# Altium PCB Board.PcbDoc (part 6 of 8)
Units mil, origin at the board's own origin, x right, y up, seen from the top; angles counter-clockwise.
Board outline 2740.16 x 1181.1 mil, 6 copper layers (Top Layer, Int1 (GND), Int2 (Sign), Int3 (Sign), Int4 (PWR), Bottom Layer), stack 60.567 mil thick; 167 components, 261 nets, 1353 pads, 681 vias.
Unrouted connection lines stored in the file: 23.
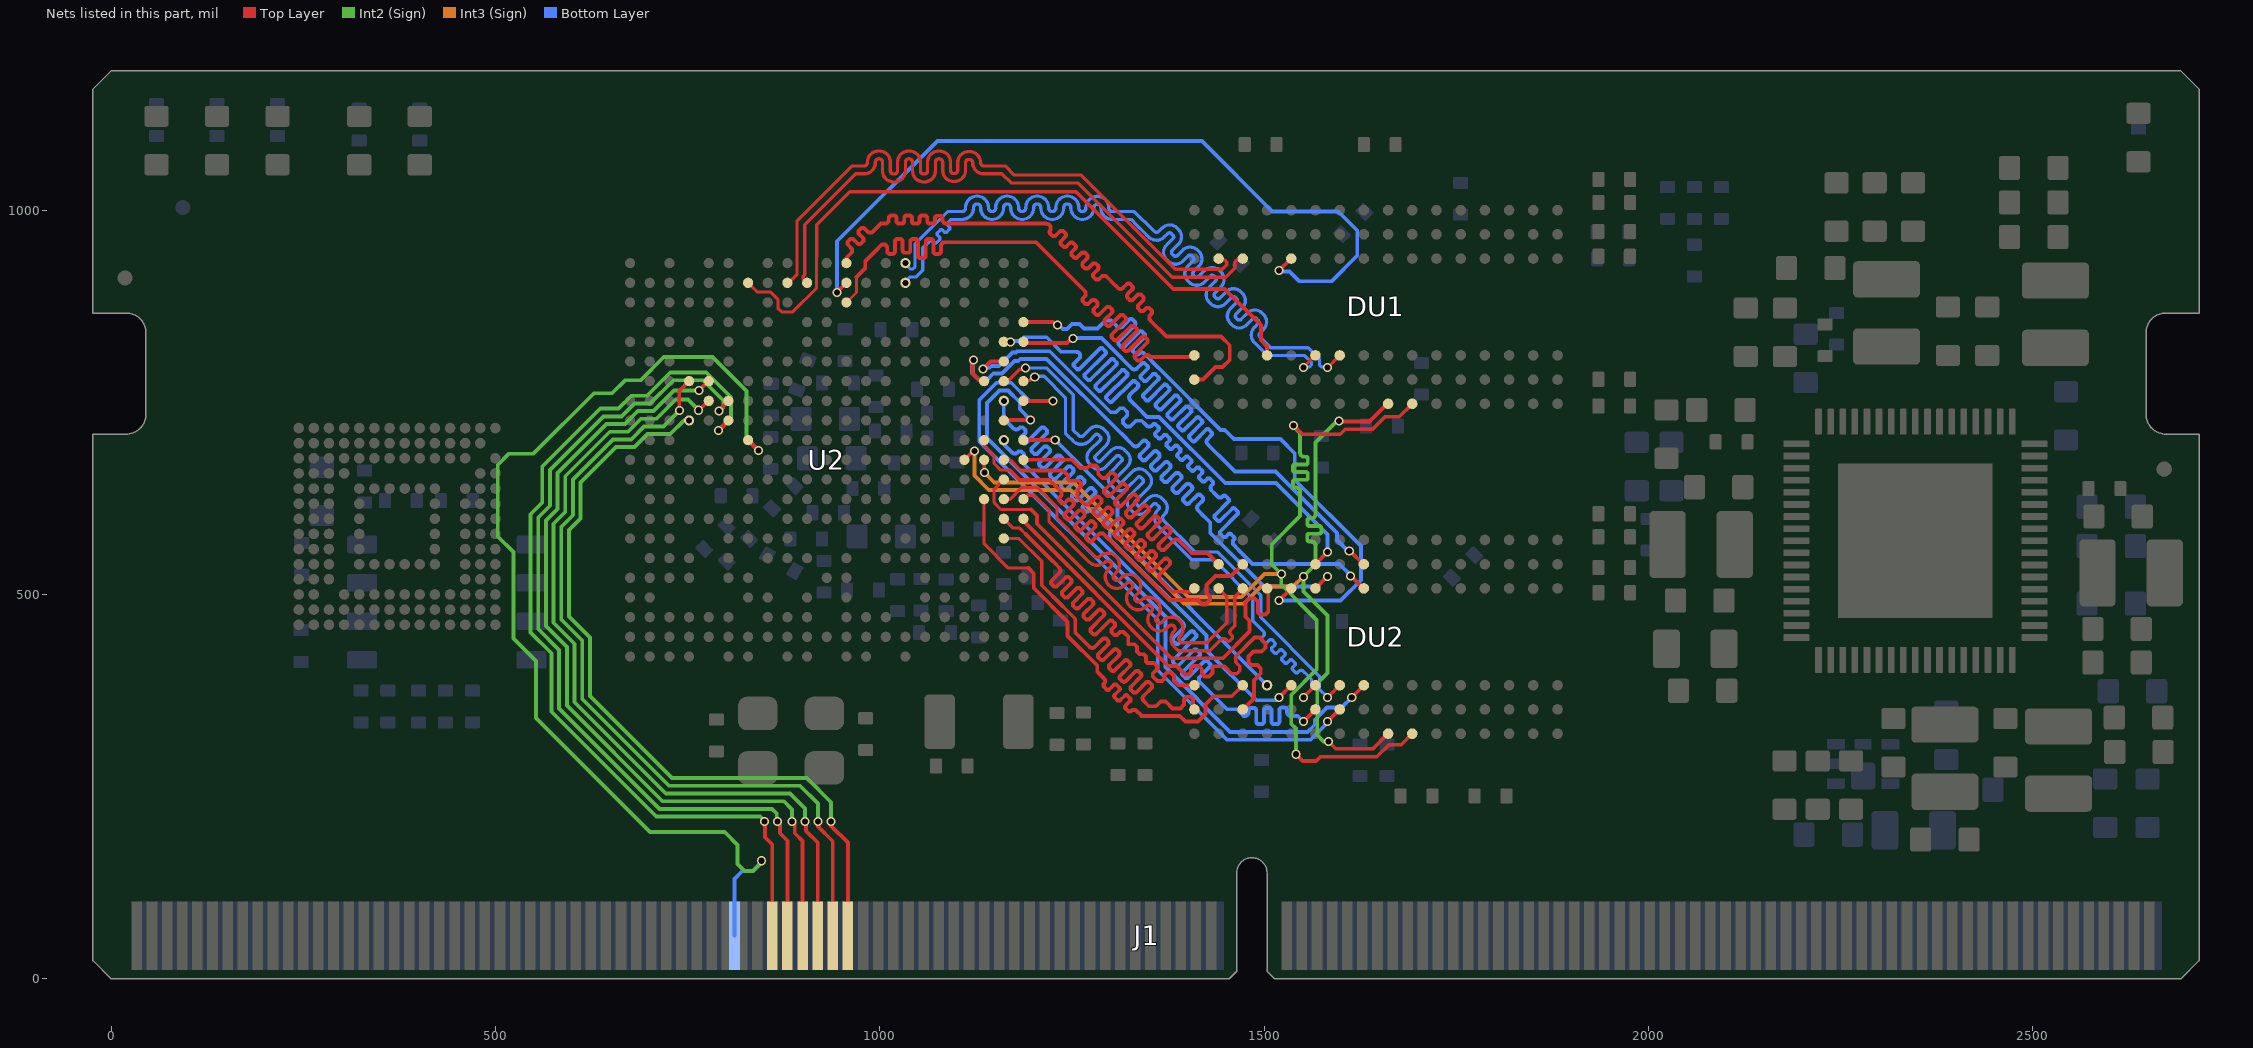
[diagram p10: the nets of this part, all layers, seen from the top]

## Via types
v1: diameter 11.81, hole 7.87, Top Layer to Bottom Layer, tented both sides, 510 vias
v2: diameter 17.72, hole 7.87, Top Layer to Bottom Layer, tented both sides, 112 vias
v3: diameter 15.75, hole 7.87, Top Layer to Bottom Layer, tented both sides, 43 vias
v4: diameter 31.5, hole 11.81, Top Layer to Bottom Layer, 16 vias

## Nets (pads, with @x,y where several pads share a name; then routed paths per layer and width w, separated by ;. In a path a pad name is that pad's centre, name@x,y a point inside that pad or via, vN(x,y) a via of type N, cw(c..) or ccw(c..) an arc to the next point about the centre after c; other vN are vias at no path point) (continued)
SDQ14: DU1.A2 U2.M21 | length 926.3
  Top Layer w4.99: U2.M21@956.69,931.1 956.69,937.72 961.1,942.13 962.87,943.89 ccw(c959.34,947.42) 962.87,950.95 959.03,954.79 cw(c961.5,957.26) 959.03,959.73 961.15,961.85 cw(c963.62,959.38) 966.09,961.85 970.99,956.96 ccw(c973.46,959.43) 975.93,956.96 978.05,959.08 ccw(c975.58,961.55) 978.05,964.02 973.16,968.92 cw(c975.63,971.39) 973.16,973.86 975.28,975.98 cw(c977.75,973.51) 980.22,975.98 984.06,972.14 ccw(c987.59,975.67) 991.12,972.14 1001.44,982.47 1004.38,982.47 1006.87,982.47 ccw(c1006.87,987.46) 1011.86,987.46 1011.86,989.7 cw(c1015.36,989.7) 1015.36,993.2 1018.35,993.2 cw(c1018.35,989.7) 1021.85,989.7 1021.85,985.97 ccw(c1025.35,985.97) 1025.35,982.47 1028.34,982.47 ccw(c1028.34,985.97) 1031.84,985.97 1031.84,989.7 cw(c1035.34,989.7) 1035.34,993.2 1038.33,993.2 cw(c1038.33,989.7) 1041.83,989.7 1041.83,985.97 ccw(c1045.33,985.97) 1045.33,982.47 1048.32,982.47 ccw(c1048.32,985.97) 1051.82,985.97 1051.82,989.7 cw(c1055.32,989.7) 1055.32,993.2 1058.31,993.2 cw(c1058.31,989.7) 1061.81,989.7 1061.81,985.97 ccw(c1065.31,985.97) 1065.31,982.47 1068.3,982.47 ccw(c1068.3,985.97) 1071.8,985.97 1071.8,989.29 cw(c1075.3,989.29) 1075.3,992.79 1078.29,992.79 cw(c1078.29,989.29) 1081.79,989.29 1081.79,987.46 ccw(c1086.78,987.46) 1086.78,982.47 1095.34,982.47 1210.21,982.47 1216.55,982.47 cw(c1216.55,976.5) 1222.07,974.22 ; 1222.06,974.19 ccw(c1224.53,971.72) 1222.06,969.25 1224.17,967.13 ccw(c1226.65,969.6) 1229.12,967.13 1234.21,972.22 cw(c1236.68,969.74) 1239.15,972.22 1241.27,970.1 cw(c1238.8,967.62) 1241.27,965.15 1236.18,960.06 ccw(c1238.66,957.59) 1236.18,955.12 1238.3,953 ccw(c1240.77,955.47) 1243.25,953 1247.13,956.88 cw(c1249.6,954.4) 1252.07,956.88 1254.19,954.76 cw(c1251.72,952.28) 1254.19,949.81 1250.31,945.93 ccw(c1252.78,943.46) 1250.31,940.99 1252.43,938.87 ccw(c1254.9,941.34) 1257.38,938.87 1262.61,944.11 cw(c1265.08,941.63) 1267.56,944.11 1269.68,941.99 cw(c1267.2,939.51) 1269.68,937.04 1264.44,931.81 ccw(c1266.91,929.33) 1264.44,926.86 1266.56,924.74 ccw(c1269.03,927.21) 1271.5,924.74 1276.74,929.98 cw(c1279.21,927.51) 1281.68,929.98 1283.8,927.86 cw(c1281.33,925.39) 1283.8,922.91 1278.57,917.68 ccw(c1281.04,915.21) 1278.57,912.73 1280.69,910.61 ccw(c1283.16,913.09) 1285.63,910.61 1288.31,913.29 cw(c1291.84,909.77) 1295.37,913.29 1305.66,903.01 1307.42,901.24 1307.91,900.75 1309.68,898.98 ccw(c1313.21,902.51) 1316.74,898.98 1321.39,903.63 cw(c1323.86,901.16) 1326.33,903.63 1328.45,901.51 cw(c1325.98,899.04) 1328.45,896.57 1322.61,890.73 ccw(c1325.09,888.26) 1322.61,885.79 1324.73,883.67 ccw(c1327.2,886.14) 1329.68,883.67 1335.52,889.51 cw(c1337.99,887.03) 1340.46,889.51 1342.58,887.39 cw(c1340.11,884.91) 1342.58,882.44 1336.74,876.6 ccw(c1339.21,874.13) 1336.74,871.66 ; 1336.74,871.66 1338.86,869.54 ccw(c1341.33,872.01) 1343.8,869.54 1346.36,872.09 cw(c1348.83,869.62) 1351.3,872.09 1353.42,869.98 cw(c1350.95,867.5) 1353.42,865.03 1352.06,863.66 ccw(c1355.58,860.13) 1352.06,856.61 1373.25,835.41 1376.87,835.41 1444.12,835.41 1455.33,824.2 1455.33,805.07 1446.16,795.89 1436.97,795.89 1420.6,779.53 DU1.A2@1409.45,779.53
SDQ15: DU1.A3 U2.M19 | length 920.3
  Top Layer w4: U2.M19@956.69,879.92 969.73,892.96 969.73,913
  Top Layer w4.99: 969.73,913 981.27,924.54 981.27,934.03 995.61,948.36 1001.32,954.08 cw(c1004.85,950.55) 1009.84,950.55 1009.84,946.62 ccw(c1013.34,946.62) 1013.34,943.12 1016.33,943.12 ccw(c1016.33,946.62) 1019.83,946.62 1019.83,958.98 cw(c1023.33,958.98) 1023.33,962.48 1026.32,962.48 cw(c1026.32,958.98) 1029.82,958.98 1029.82,948 ccw(c1033.32,948) 1033.32,944.5 1036.31,944.5 ccw(c1036.31,948) 1039.81,948 1039.81,958.98 cw(c1043.31,958.98) 1043.31,962.48 1046.3,962.48 cw(c1046.3,958.98) 1049.8,958.98 1049.8,941.03 ccw(c1053.3,941.03) 1053.3,937.54 1056.29,937.54 ccw(c1056.29,941.03) 1059.79,941.03 1059.79,958.98 cw(c1063.29,958.98) 1063.29,962.48 1066.28,962.48 cw(c1066.28,958.98) 1069.78,958.98 1069.78,946.62 ccw(c1073.28,946.62) 1073.28,943.12 1076.27,943.12 ccw(c1076.27,946.62) 1079.77,946.62 1079.77,953.29 cw(c1084.76,953.29) 1084.76,958.28 1099.91,958.28 1203.14,958.28 1257.87,903.55 1266.7,894.72 cw(c1263.17,891.19) 1266.7,887.66 1264.82,885.78 ccw(c1267.29,883.31) 1264.82,880.84 1266.94,878.72 ccw(c1269.41,881.19) 1271.89,878.72 1275.63,882.46 cw(c1278.1,879.99) 1280.57,882.46 1282.69,880.34 cw(c1280.22,877.87) 1282.69,875.4 1278.95,871.65 ccw(c1281.42,869.18) 1278.95,866.71 1281.07,864.59 ccw(c1283.54,867.06) 1286.01,864.59 1294.78,873.36 cw(c1297.25,870.89) 1299.73,873.36 1301.85,871.24 cw(c1299.37,868.77) 1301.85,866.3 1293.08,857.53 ccw(c1295.55,855.05) 1293.08,852.58 1295.2,850.46 ccw(c1297.67,852.93) 1300.14,850.46 1312.43,862.75 cw(c1314.9,860.28) 1317.38,862.75 1319.5,860.63 cw(c1317.02,858.16) 1319.5,855.69 1302.47,838.66 ccw(c1304.94,836.19) 1302.47,833.72 1304.59,831.6 ccw(c1307.06,834.07) 1309.53,831.6 1326.56,848.63 cw(c1329.03,846.15) 1331.5,848.63 1333.62,846.51 cw(c1331.15,844.03) 1333.62,841.56 1316.59,824.53 ccw(c1319.07,822.06) 1316.59,819.59 1318.71,817.47 ccw(c1321.19,819.94) 1323.66,817.47 1340.69,834.5 cw(c1343.16,832.02) 1345.63,834.5 1347.75,832.38 cw(c1345.28,829.91) 1347.75,827.43 1332.59,812.27 ccw(c1335.06,809.8) 1332.59,807.33 1334.71,805.21 ccw(c1337.18,807.68) 1339.65,805.21 1344.4,809.96 cw(c1347.93,806.43) 1351.46,809.96 1352.51,808.9 1374.05,808.9 1407.33,808.9 DU1.A3@1409.45,811.02
SDQ16: DU2.F8 U2.Y17 | length 888
  Top Layer w5: U2.Y17@1161.42,828.74 1161.66,828.5 1170,828.5 v1(1170.24,828.26) ; DU2.F8@1566.93,539.37 v1(1582.68,555.12)
  Bottom Layer w5: v1(1170.24,828.26) 1171.54,829.57 1182.4,829.57 1187.48,834.65 1217.26,834.65 1236.22,815.68 1248.5,815.68 1255.89,815.68 cw(c1255.89,810.68) 1259.4,807.12 1252.8,800.62 ccw(c1254.56,798.84) 1252.77,797.09 1256.28,793.53 ccw(c1258.06,795.28) 1259.82,793.5 1286.61,819.88 cw(c1288.36,818.1) 1290.14,819.86 1293.65,816.29 cw(c1291.87,814.54) 1293.63,812.76 1266.94,786.48 ccw(c1268.7,784.7) 1266.92,782.95 1270.43,779.38 ccw(c1272.21,781.14) 1273.96,779.36 1300.75,805.74 cw(c1302.51,803.96) 1304.29,805.71 1307.79,802.15 cw(c1306.01,800.4) 1307.77,798.62 1281.09,772.34 ccw(c1282.84,770.56) 1281.06,768.8 1284.57,765.24 ccw(c1286.35,767) 1288.1,765.21 1314.89,791.6 cw(c1316.65,789.82) 1318.43,791.57 1321.94,788.01 cw(c1320.16,786.25) 1321.91,784.47 1295.23,758.2 ccw(c1296.98,756.42) 1295.2,754.66 1298.71,751.1 ccw(c1300.49,752.85) 1302.25,751.07 1328.81,777.23 cw(c1330.56,775.45) 1332.34,777.2 1335.85,773.64 cw(c1334.07,771.89) 1335.82,770.11 1325.82,760.25 ccw(c1329.33,756.69) 1325.79,753.16 1340.9,738.05 1342.66,736.29 1347.9,731.05 1363.44,731.05 1449.49,645 1515.72,645 1582.68,578.04 v1(1582.68,555.12)
SDQ17: DU2.H8 U2.AA17 | length 892.5
  Top Layer w5: U2.AA17@1187.01,828.74 1188.6,827.15 1243.82,827.15 1249.55,832.88 v1(1251.4,832.88) ; v1(1610.9,556.61) 1611.79,556.61 1629.03,539.37 DU2.H8@1629.92,539.37
  Bottom Layer w5: v1(1251.4,832.88) 1251.99,833.48 1288.57,833.48 1303.42,818.63 1326.02,796.02 1327.79,794.26 ccw(c1331.33,797.79) 1334.86,794.26 1341.27,800.66 cw(c1343.03,798.89) 1344.8,800.66 1348.34,797.12 cw(c1346.57,795.35) 1348.34,793.59 1339.93,785.18 ccw(c1341.69,783.41) 1339.93,781.64 1343.46,778.11 ccw(c1345.23,779.87) 1347,778.11 1355.41,786.52 cw(c1357.18,784.75) 1358.94,786.52 1362.48,782.98 cw(c1360.71,781.21) 1362.48,779.44 1343.12,760.08 ccw(c1344.88,758.31) 1343.12,756.55 1346.65,753.01 ccw(c1348.42,754.78) 1350.19,753.01 1369.55,772.37 cw(c1371.32,770.61) 1373.09,772.37 1376.62,768.84 cw(c1374.85,767.07) 1376.62,765.3 1359.58,748.27 ccw(c1361.35,746.5) 1359.58,744.73 1363.12,741.2 ccw(c1364.89,742.96) 1366.66,741.2 1383.69,758.23 cw(c1385.46,756.46) 1387.23,758.23 1390.76,754.7 cw(c1389,752.93) 1390.76,751.16 1374.82,735.22 ccw(c1376.59,733.45) 1374.82,731.69 1378.36,728.15 ccw(c1380.13,729.92) 1381.89,728.15 1397.83,744.09 cw(c1399.6,742.32) 1401.37,744.09 1404.91,740.55 cw(c1403.14,738.79) 1404.91,737.02 1388.97,721.08 ccw(c1390.73,719.31) 1388.97,717.54 1392.5,714.01 ccw(c1394.27,715.78) 1396.04,714.01 1411.98,729.95 cw(c1413.74,728.18) 1415.51,729.95 1419.05,726.41 cw(c1417.28,724.64) 1419.05,722.88 1403.11,706.94 ccw(c1404.88,705.17) 1403.11,703.4 1406.64,699.87 ccw(c1408.41,701.63) 1410.18,699.87 1424.77,714.46 cw(c1426.54,712.69) 1428.3,714.46 1431.84,710.92 cw(c1430.07,709.15) 1431.84,707.38 1426.79,702.33 ccw(c1430.32,698.8) 1426.79,695.26 1439.64,682.4 1441.41,680.63 1462.05,660 1514.86,660 1594.79,580.07 1594.79,570.88 1609.06,556.61 v1(1610.9,556.61)
SDQ18: DU2.H7 U2.Y16 | length 894.4
  Top Layer w5: v1(1134.56,793.61) 1144.1,803.15 U2.Y16@1161.42,803.15 ; v1(1612.58,524.05) 1613.16,524.05 1629.34,507.87 DU2.H7@1629.92,507.87
  Bottom Layer w5: v1(1134.56,793.61) 1135.87,794.91 1143.2,794.91 1145.73,797.44 1155.11,797.44 1172.66,814.99 1177.25,814.99 1178.72,816.46 1221.3,816.46 1300.68,737.08 1307.37,737.08 1312.51,742.22 1317.42,742.22 1322.06,737.59 1322.06,733.01 1316.35,727.29 1316.35,723.26 1321.27,718.33 1325.94,718.33 1333.6,726 1340.93,726 1345.29,721.64 1347.06,719.87 ccw(c1350.6,723.4) 1354.13,719.87 1355.54,721.27 cw(c1357.31,719.5) 1359.07,721.27 1362.61,717.74 cw(c1360.84,715.97) 1362.61,714.2 1358.88,710.47 ccw(c1360.64,708.7) 1358.88,706.93 1362.41,703.4 ccw(c1364.18,705.17) 1365.95,703.4 1369.68,707.13 cw(c1371.45,705.36) 1373.22,707.13 1376.75,703.59 cw(c1374.98,701.83) 1376.75,700.06 1373.58,696.89 ccw(c1375.35,695.12) 1373.58,693.35 1377.11,689.82 ccw(c1378.88,691.58) 1380.65,689.82 1383.82,692.99 cw(c1385.59,691.22) 1387.36,692.99 1390.89,689.45 cw(c1389.13,687.68) 1390.89,685.92 1387.72,682.74 ccw(c1389.49,680.98) 1387.72,679.21 1391.26,675.67 ccw(c1393.02,677.44) 1394.79,675.67 1397.96,678.85 cw(c1399.73,677.08) 1401.5,678.85 1405.04,675.31 cw(c1403.27,673.54) 1405.04,671.77 1401.86,668.6 ccw(c1403.63,666.83) 1401.86,665.07 1405.4,661.53 ccw(c1407.17,663.3) 1408.93,661.53 1412.11,664.7 cw(c1413.87,662.94) 1415.64,664.7 1419.18,661.17 cw(c1417.41,659.4) 1419.18,657.63 1416,654.46 ccw(c1417.77,652.69) 1416,650.92 1419.54,647.39 ccw(c1421.31,649.16) 1423.08,647.39 1426.25,650.56 cw(c1428.02,648.79) 1429.78,650.56 1433.32,647.03 cw(c1431.55,645.26) 1433.32,643.49 1431.91,642.09 ccw(c1435.45,638.55) 1431.91,635.01 1435.78,631.14 1437.55,629.38 1439.32,627.61 ccw(c1442.86,631.14) 1446.39,627.61 1446.66,627.88 cw(c1448.43,626.11) 1450.2,627.88 1453.73,624.34 cw(c1451.96,622.57) 1453.73,620.81 1436.05,603.13 ccw(c1437.82,601.36) 1436.05,599.59 1439.59,596.05 ccw(c1441.35,597.82) 1443.12,596.05 1458.6,611.53 cw(c1460.37,609.76) 1462.13,611.53 1465.67,608 cw(c1463.9,606.23) 1465.67,604.46 1443.38,582.17 ccw(c1445.15,580.41) 1443.38,578.64 1446.92,575.1 ccw(c1448.69,576.87) 1450.45,575.1 1453.71,578.36 cw(c1455.48,576.59) 1457.25,578.36 1460.78,574.83 cw(c1459.01,573.06) 1460.78,571.29 ccw(c1464.32,567.75) 1460.78,564.22 1465.81,559.19 1467.58,557.42 1485.16,539.84 1597.96,539.84 1612.58,525.22 v1(1612.58,524.05)
SDQ19: DU2.F7 U2.W15 | length 894.1
  Top Layer w5: v1(1121.98,805) 1120.75,803.77 1120.75,787.65 1130.06,778.34 1135.05,778.34 U2.W15@1135.83,777.56 ; DU2.F7@1566.93,507.87 v1(1582.68,523.62)
  Bottom Layer w5: v1(1121.98,805) 1120.75,803.77 1120.75,787.65 1128.6,779.79 1140.1,779.79 1147.75,787.44 1159.25,787.44 1175.55,803.74 1180.14,803.74 1182.86,806.46 1217.16,806.46 1312.67,710.95 1314.43,709.19 1329.54,694.08 ccw(c1333.07,697.62) 1336.61,694.08 1341.82,699.29 cw(c1344.29,696.82) 1346.77,699.29 1348.89,697.17 cw(c1346.41,694.7) 1348.89,692.22 1339.16,682.49 ccw(c1341.63,680.02) 1339.16,677.54 1341.28,675.42 ccw(c1343.75,677.9) 1346.23,675.42 1356.25,685.45 cw(c1358.73,682.97) 1361.2,685.45 1363.32,683.33 cw(c1360.85,680.85) 1363.32,678.38 1353.92,668.97 ccw(c1356.4,666.5) 1353.92,664.02 1356.04,661.9 ccw(c1358.52,664.38) 1360.99,661.9 1370.39,671.3 cw(c1372.87,668.83) 1375.34,671.3 1377.47,669.18 cw(c1374.99,666.71) 1377.47,664.23 1367.44,654.21 ccw(c1369.92,651.73) 1367.44,649.26 1369.56,647.14 ccw(c1372.04,649.61) 1374.51,647.14 1384.54,657.16 cw(c1387.01,654.69) 1389.49,657.16 1391.61,655.04 cw(c1389.13,652.57) 1391.61,650.09 1381.58,640.07 ccw(c1384.06,637.59) 1381.58,635.12 1383.7,633 ccw(c1386.18,635.47) 1388.65,633 1398.68,643.02 cw(c1401.15,640.55) 1403.63,643.02 1405.75,640.9 cw(c1403.28,638.42) 1405.75,635.95 1395.73,625.92 ccw(c1398.2,623.45) 1395.73,620.97 1397.85,618.85 ccw(c1400.32,621.33) 1402.8,618.85 1412.82,628.88 cw(c1415.3,626.4) 1417.77,628.88 1419.89,626.76 cw(c1417.42,624.28) 1419.89,621.81 1414.39,616.3 ccw(c1417.92,612.77) 1414.39,609.23 1421.46,602.16 1423.23,600.39 1430,593.62 1430,580 1499.78,510.22 1569.27,510.22 v1(1582.68,523.62)
SDQ20: DU2.E3 U2.Y14 | length 897
  Top Layer w5: v1(1519.68,366.14) DU2.E3@1535.43,381.89
  Bottom Layer w5: v1(1161.42,751.97) 1161.42,740.63 1161.42,729.01 1174.29,716.14 ccw(c1177.82,719.67) 1181.36,716.14 1181.84,716.62 cw(c1184.31,714.14) 1186.79,716.62 1188.91,714.5 cw(c1186.44,712.02) 1188.91,709.55 1184.04,704.68 ccw(c1186.51,702.2) 1184.04,699.73 1186.16,697.61 ccw(c1188.63,700.08) 1191.11,697.61 1209.84,716.34 cw(c1212.32,713.87) 1214.79,716.34 1216.92,714.22 cw(c1214.44,711.74) 1216.92,709.27 1198.26,690.62 ccw(c1200.74,688.14) 1198.26,685.67 1200.38,683.55 ccw(c1202.86,686.02) 1205.33,683.55 1213.51,691.72 cw(c1215.98,689.24) 1218.46,691.72 1220.58,689.6 cw(c1218.1,687.12) 1220.58,684.65 1208.39,672.46 ccw(c1210.87,669.99) 1208.39,667.51 1210.52,665.39 ccw(c1212.99,667.87) 1215.47,665.39 1230.06,679.98 cw(c1232.53,677.51) 1235.01,679.98 1237.13,677.86 cw(c1234.65,675.39) 1237.13,672.91 1222.54,658.32 ccw(c1225.01,655.85) 1222.54,653.37 1224.66,651.25 ccw(c1227.13,653.73) 1229.61,651.25 1244.2,665.84 cw(c1246.67,663.37) 1249.15,665.84 1251.27,663.72 cw(c1248.8,661.25) 1251.27,658.77 1236.68,644.18 ccw(c1239.15,641.71) 1236.68,639.23 1238.8,637.11 ccw(c1241.28,639.58) 1243.75,637.11 1258.34,651.7 cw(c1260.82,649.23) 1263.29,651.7 1265.41,649.58 cw(c1262.94,647.1) 1265.41,644.63 1250.82,630.04 ccw(c1253.3,627.56) 1250.82,625.09 1252.94,622.97 ccw(c1255.42,625.44) 1257.89,622.97 1272.48,637.56 cw(c1274.96,635.08) 1277.43,637.56 1279.55,635.44 cw(c1277.08,632.96) 1279.55,630.49 1264.96,615.9 ccw(c1267.44,613.42) 1264.96,610.95 1267.08,608.82 ccw(c1269.56,611.3) 1272.03,608.82 1273.28,610.07 cw(c1276.82,606.54) 1280.35,610.07 1282.12,608.3 1299.21,591.21 1299.21,572.47 1425.2,446.49 1425.2,427.22 1490.11,362.31 1515.85,362.31 v1(1519.68,366.14)
SDQ21: DU2.G2 U2.AA14 | length 892.4
  Top Layer w5: U2.AA14@1187.01,751.97 1187.19,751.78 1225.02,751.78 v1(1225.2,751.6) ; v1(1582.68,334.65) DU2.G2@1598.43,350.39
  Bottom Layer w5: v1(1225.2,751.6) 1194.89,751.6 1171.11,775.37 1151.72,775.37 1129.6,753.25 1129.6,699.23 1361.72,467.11 1361.72,401.34 1452.04,311.02 1560.66,311.02 1582.68,333.04 v1(1582.68,334.65)
SDQ22: DU2.H3 U2.Y13 | length 881.2
  Top Layer w5: U2.Y13@1161.42,726.38 1161.83,726.79 1195.76,726.79 v1(1196.17,727.2) ; v1(1614.17,366.14) DU2.H3@1629.92,381.89
  Bottom Layer w5: v1(1196.17,727.2) 1182.24,741.13 1182.24,750.1 1166.97,765.37 1155.87,765.37 1139.6,749.11 1139.6,703.38 1371.72,471.26 1371.72,405.48 1455.96,321.24 1556.73,321.24 1565.95,330.46 1565.95,336.88 1581.81,352.74 1600.77,352.74 v1(1614.17,366.14)
SDQ23: DU2.F2 U2.Y12 | length 893.5
  Top Layer w5: v1(1551.18,334.65) DU2.F2@1566.93,350.39
  Bottom Layer w5: v1(1161.42,700.79) 1161.42,695.7 1162.51,694.61 1172.29,684.83 ccw(c1175.83,688.36) 1179.36,684.83 1179.88,685.35 cw(c1182.36,682.87) 1184.83,685.35 1186.95,683.23 cw(c1184.48,680.75) 1186.95,678.28 1186.43,677.76 ccw(c1189.97,674.22) 1186.43,670.69 1195.27,661.85 1385.56,471.56 1387.33,469.79 1394.4,462.72 cw(c1390.86,459.19) 1394.4,455.65 1381.99,443.24 ccw(c1383.76,441.47) 1381.99,439.71 1385.53,436.17 ccw(c1387.29,437.94) 1389.06,436.17 1404.51,451.62 cw(c1406.28,449.85) 1408.05,451.62 1411.58,448.08 cw(c1409.81,446.32) 1411.58,444.55 1381.99,414.96 ccw(c1383.76,413.19) 1381.99,411.42 1385.53,407.89 ccw(c1387.29,409.65) 1389.06,407.89 1409.17,427.99 cw(c1410.93,426.22) 1412.7,427.99 1416.24,424.46 cw(c1414.47,422.69) 1416.24,420.92 1394.04,398.72 ccw(c1395.81,396.95) 1394.04,395.19 1397.57,391.65 ccw(c1399.34,393.42) 1401.11,391.65 1422.7,413.24 cw(c1424.47,411.48) 1426.24,413.24 1429.78,409.71 cw(c1428.01,407.94) 1429.78,406.17 1416.53,392.93 ccw(c1420.06,389.39) 1416.53,385.85 1451.77,350.61 1458.25,350.61 1464.73,350.61 1472.44,342.9 1473.33,342.01 1474.94,342.01 ccw(c1474.94,347.01) 1479.94,347.01 1479.94,348.81 cw(c1483.44,348.81) 1483.44,352.31 1486.44,352.31 cw(c1486.44,348.81) 1489.94,348.81 1489.94,334.74 ccw(c1493.44,334.74) 1493.44,331.24 1496.44,331.24 ccw(c1496.44,334.74) 1499.94,334.74 1499.94,348.81 cw(c1503.44,348.81) 1503.44,352.31 1506.44,352.31 cw(c1506.44,348.81) 1509.94,348.81 1509.94,334.74 ccw(c1513.44,334.74) 1513.44,331.24 1516.44,331.24 ccw(c1516.44,334.74) 1519.94,334.74 1519.94,349.24 cw(c1523.44,349.24) 1523.44,352.74 1526.44,352.74 cw(c1526.44,349.24) 1529.94,349.24 1529.94,347.01 ccw(c1534.94,347.01) 1534.94,342.01 1543.82,342.01 v1(1551.18,334.65)
SDQ24: DU2.C8 U2.W12 | length 600.6
  Top Layer w4: U2.W12@1136.64,699.97 1136.64,692.47 1148.45,680.66 1148.45,670.92 1157.57,661.8 1169.25,661.8 1169.42,661.63
  Top Layer w5: 1169.42,661.63 1182.13,648.92 1221.16,648.92 1226.52,643.56 1228.28,641.79 1235.36,634.72 cw(c1231.82,631.19) 1235.36,627.65 1234.16,626.46 ccw(c1236.63,623.98) 1234.16,621.51 1236.28,619.39 ccw(c1238.76,621.86) 1241.23,619.39 1244.55,622.7 cw(c1247.02,620.23) 1249.5,622.7 1251.62,620.58 cw(c1249.14,618.11) 1251.62,615.63 1241.27,605.28 ccw(c1243.74,602.8) 1241.27,600.33 1243.39,598.21 ccw(c1245.86,600.68) 1248.34,598.21 1258.76,608.63 cw(c1261.23,606.15) 1263.71,608.63 1265.83,606.51 cw(c1263.36,604.03) 1265.83,601.56 1255.13,590.86 ccw(c1257.6,588.38) 1255.13,585.91 1257.25,583.78 ccw(c1259.72,586.26) 1262.2,583.78 1272.84,594.43 cw(c1275.32,591.95) 1277.79,594.43 1279.91,592.31 cw(c1277.44,589.83) 1279.91,587.36 1269.27,576.71 ccw(c1271.74,574.24) 1269.27,571.76 1271.39,569.64 ccw(c1273.87,572.12) 1276.34,569.64 1284.85,578.15 cw(c1288.39,574.62) 1291.92,578.15 1305.86,564.22 1307.63,562.45 1377.08,493 1414,493 1419.93,487.07 1424.07,487.07 1429.93,492.93 1429.93,497.07 1425.2,501.8 1425.2,512.48 1436.7,523.97 1457.05,523.97 DU2.C8@1472.44,539.37
SDQ25: DU2.B8 U2.AA11 | length 607.5
  Top Layer w5: U2.AA11@1187.01,675.2 1249.99,675.2 1260.84,664.35 1270.06,664.35 1273.5,667.78 1281.17,667.78 1284.37,664.58 1284.37,656.57 1288.15,652.8 ccw(c1291.68,656.33) 1295.22,652.8 1299.85,657.42 cw(c1302.32,654.95) 1304.8,657.42 1306.92,655.3 cw(c1304.44,652.83) 1306.92,650.35 1292.85,636.28 ccw(c1295.32,633.81) 1292.85,631.33 1294.97,629.21 ccw(c1297.44,631.68) 1299.92,629.21 1313.99,643.28 cw(c1316.46,640.81) 1318.94,643.28 1321.06,641.16 cw(c1318.59,638.68) 1321.06,636.21 1306.99,622.14 ccw(c1309.46,619.66) 1306.99,617.19 1309.11,615.07 ccw(c1311.59,617.54) 1314.06,615.07 1328.13,629.14 cw(c1330.61,626.66) 1333.08,629.14 1335.2,627.02 cw(c1332.73,624.54) 1335.2,622.07 1321.13,608 ccw(c1323.61,605.52) 1321.13,603.05 1323.25,600.93 ccw(c1325.73,603.4) 1328.2,600.93 1342.27,615 cw(c1344.75,612.52) 1347.22,615 1349.34,612.88 cw(c1346.87,610.4) 1349.34,607.93 1335.27,593.85 ccw(c1337.75,591.38) 1335.27,588.9 1337.39,586.78 ccw(c1339.87,589.26) 1342.34,586.78 1356.42,600.85 cw(c1358.89,598.38) 1361.37,600.85 1363.49,598.73 cw(c1361.01,596.26) 1363.49,593.78 1349.42,579.71 ccw(c1351.89,577.24) 1349.42,574.76 1351.54,572.64 ccw(c1354.01,575.12) 1356.49,572.64 1370.56,586.71 cw(c1373.03,584.24) 1375.51,586.71 1377.63,584.59 cw(c1375.15,582.12) 1377.63,579.64 1363.56,565.57 ccw(c1366.03,563.1) 1363.56,560.62 1365.68,558.5 ccw(c1368.15,560.97) 1370.63,558.5 1382.51,570.38 cw(c1386.05,566.85) 1389.58,570.38 1404.06,555.9 1405.83,554.13 ; 1406.21,553.76 1426.56,553.76 DU2.B8@1440.95,539.37
SDQ26: DU2.A7 U2.Y11 | length 603.8
  Top Layer w4: U2.Y11@1162.19,674.42 1170.54,674.42 1183.65,661.31 1184.72,661.31
  Top Layer w5: U2.Y11@1161.42,675.2 U2.Y11@1162.19,674.42 ; 1184.72,661.31 1238.31,661.31 1244.79,654.83 1244.79,650.09 1246.89,648 1259,648 1261.93,645.07 1261.93,640.93 1257.21,636.21 1257.21,627.01 1264.04,620.18 1265.81,618.41 ccw(c1269.35,621.94) 1272.88,618.41 1280.84,626.37 cw(c1283.31,623.89) 1285.79,626.37 1287.91,624.25 cw(c1285.44,621.77) 1287.91,619.3 1278.9,610.29 ccw(c1281.38,607.81) 1278.9,605.34 1281.02,603.22 ccw(c1283.5,605.69) 1285.97,603.22 1294.98,612.22 cw(c1297.46,609.75) 1299.93,612.22 1302.05,610.1 cw(c1299.58,607.63) 1302.05,605.15 1291.96,595.06 ccw(c1294.44,592.59) 1291.96,590.11 1294.08,587.99 ccw(c1296.56,590.47) 1299.03,587.99 1309.12,598.08 cw(c1311.6,595.61) 1314.07,598.08 1316.2,595.96 cw(c1313.72,593.49) 1316.19,591.01 1306.12,580.93 ccw(c1308.59,578.46) 1306.12,575.98 1308.24,573.86 ccw(c1310.71,576.34) 1313.19,573.86 1323.27,583.94 cw(c1325.74,581.47) 1328.22,583.94 1330.34,581.82 cw(c1327.86,579.34) 1330.34,576.87 1320.26,566.79 ccw(c1322.73,564.32) 1320.26,561.84 1322.38,559.72 ccw(c1324.85,562.19) 1327.33,559.72 1337.41,569.8 cw(c1339.88,567.32) 1342.36,569.8 1344.48,567.68 cw(c1342,565.2) 1344.48,562.73 1334.4,552.65 ccw(c1336.88,550.17) 1334.4,547.7 1336.52,545.58 ccw(c1339,548.05) 1341.47,545.58 1351.55,555.66 cw(c1354.03,553.18) 1356.5,555.66 1358.62,553.54 cw(c1356.15,551.06) 1358.62,548.59 1348.54,538.51 ccw(c1351.02,536.03) 1348.54,533.56 1350.66,531.44 ccw(c1353.14,533.91) 1355.61,531.44 1369.94,545.76 cw(c1372.41,543.29) 1374.89,545.76 1377.01,543.64 cw(c1374.54,541.16) 1377.01,538.69 1364.81,526.49 ccw(c1368.34,522.95) 1364.81,519.41 1375.04,509.18 1376.81,507.41 1380.74,503.48 1409.45,503.48 DU2.A7@1409.45,507.87